# Altium PCB touch.gfx.PcbDoc (part 3 of 3) (continued)
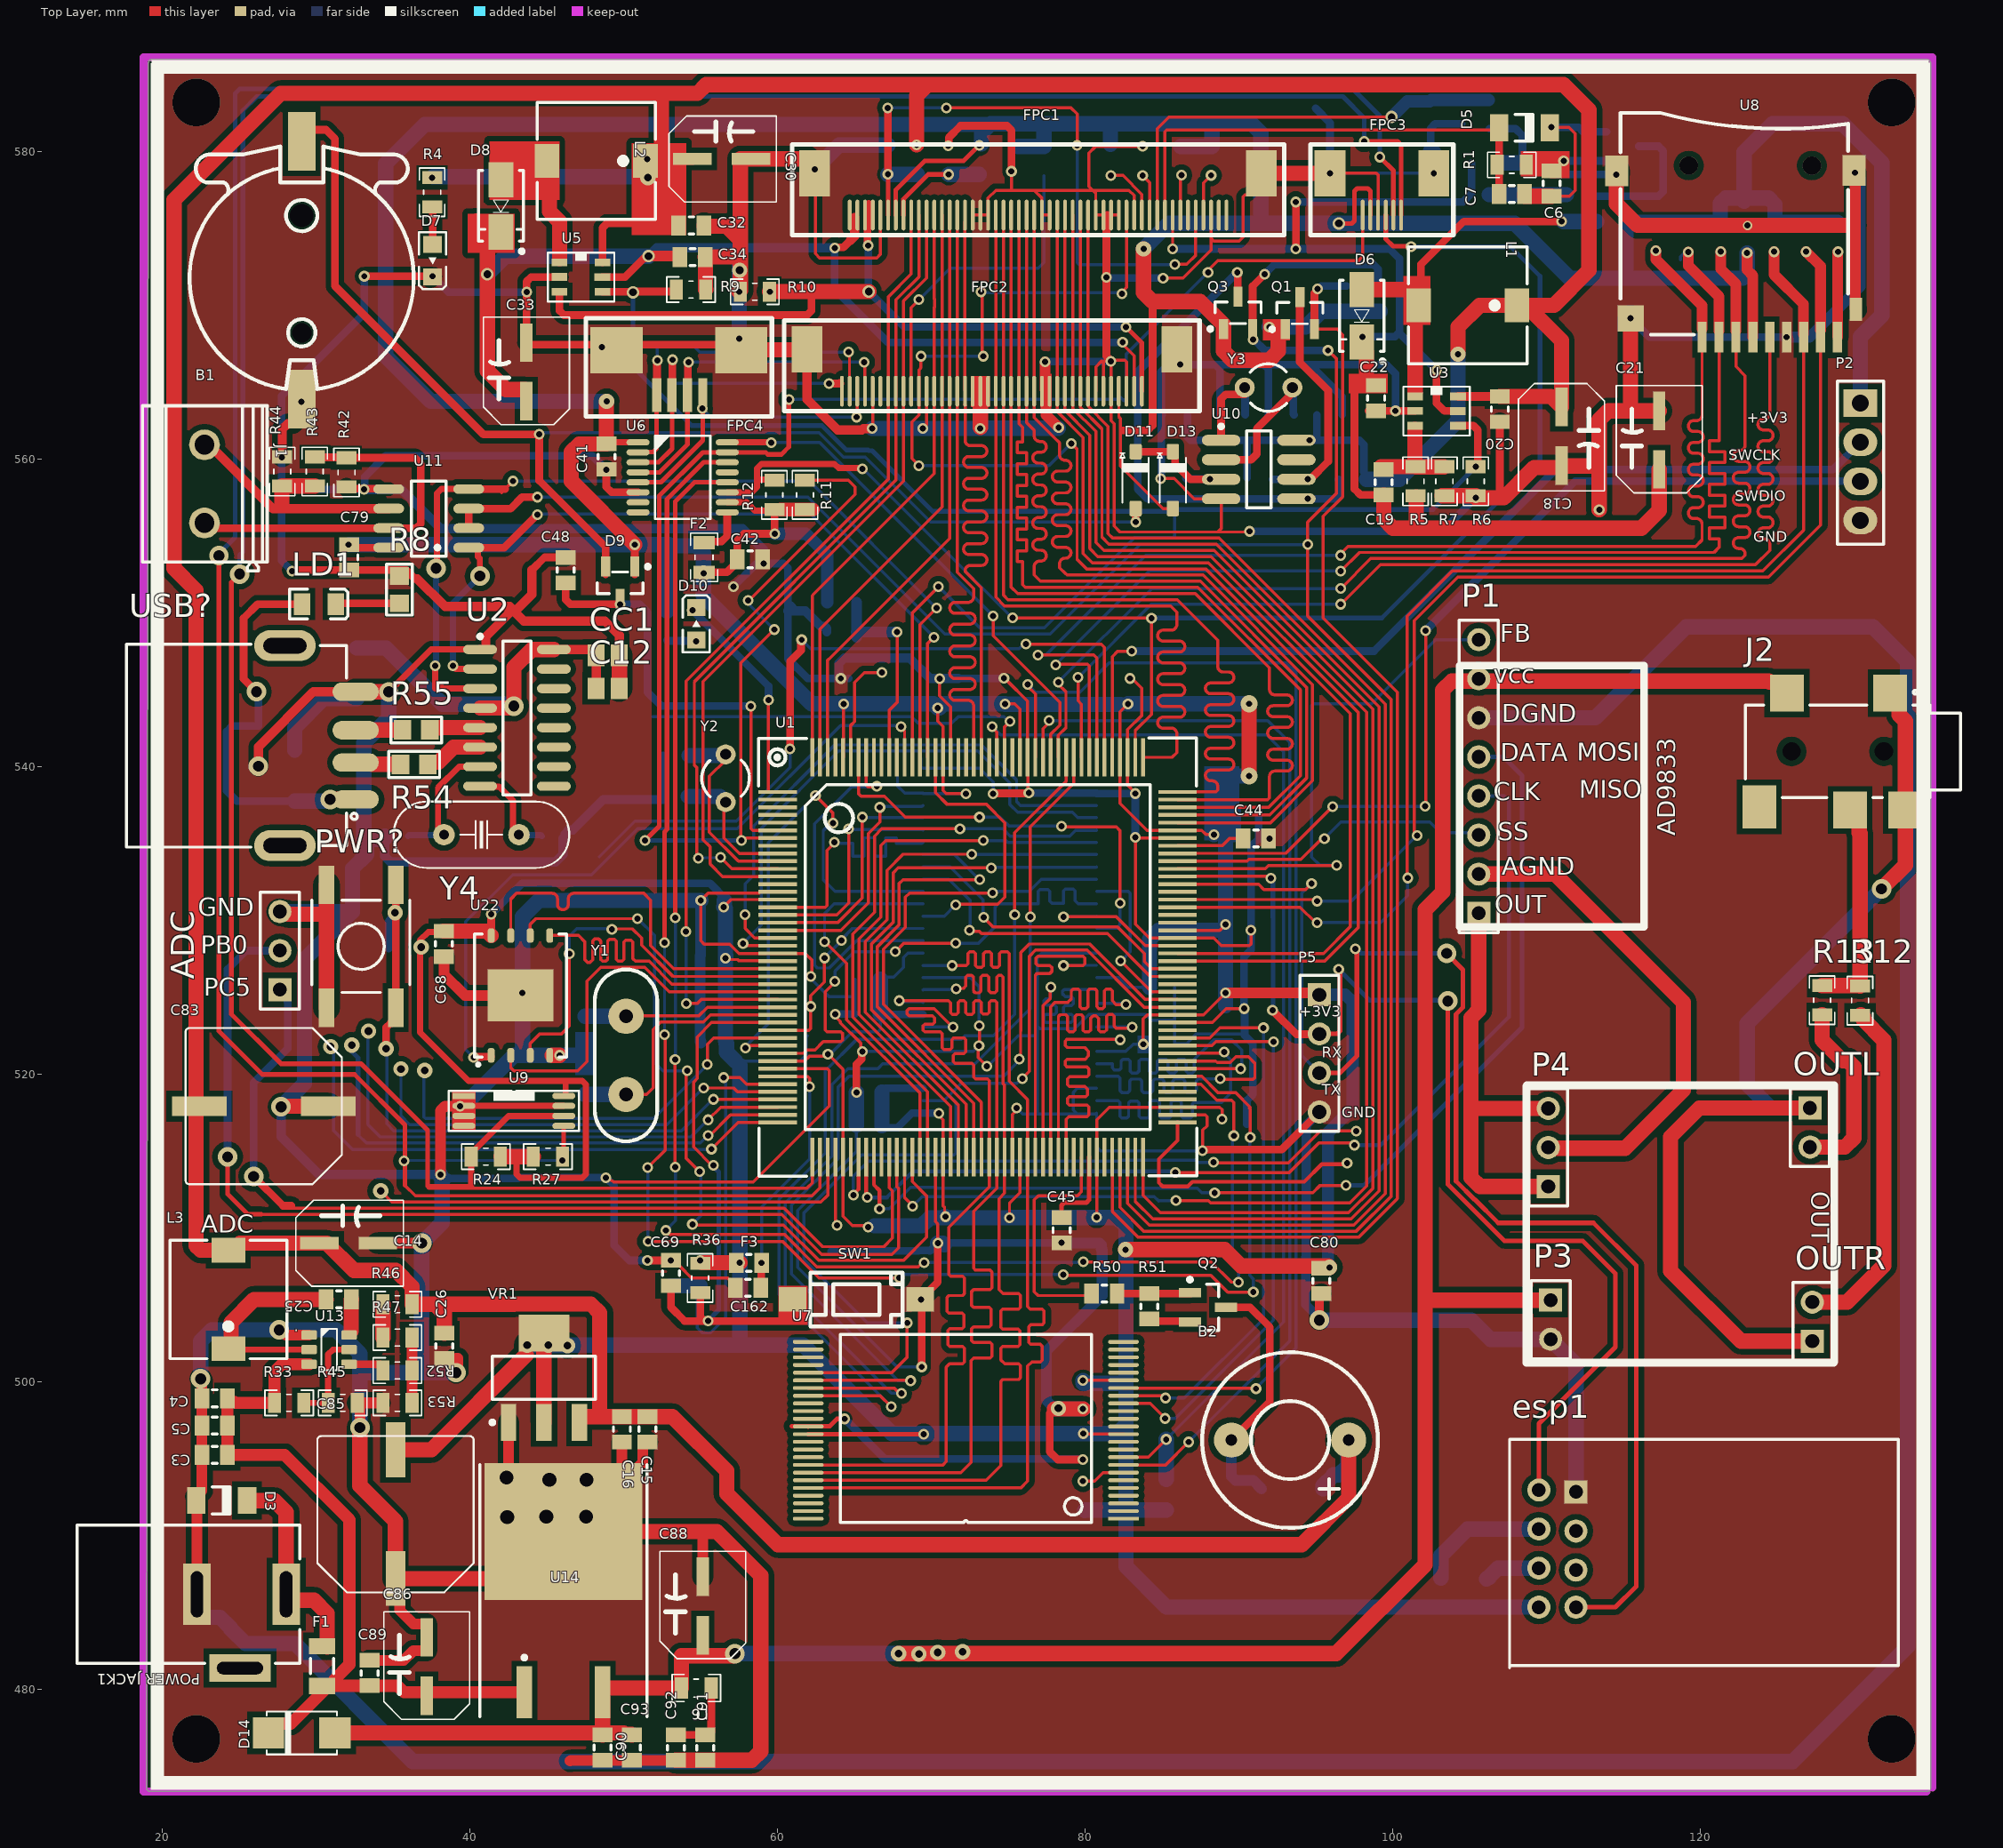
[diagram p0: Top Layer view]
## Nets (pads, with @x,y where several pads share a name; then routed paths per layer and width w, separated by ;. In a path a pad name is that pad's centre, name@x,y a point inside that pad or via, vN(x,y) a via of type N, cw(c..) or ccw(c..) an arc to the next point about the centre after c; other vN are vias at no path point) (continued)
  Bottom Layer w0.2: v1(46.477,527.807) 46.477,528.95 46.969,529.442 49.209,529.442 v1(49.248,529.403)
PF8: U1.26 U22.5 | length 24.5
  Top Layer w0.2: U22.5@45.212,528.998 47.079,528.998 47.498,528.579 47.498,527.431 47.669,527.26 47.835,527.26 48.006,527.431 48.006,528.649 48.123,528.766 48.397,528.766 48.514,528.649 48.514,527.444 48.631,527.326 48.858,527.326 48.975,527.444 48.975,528.636 49.092,528.753 49.422,528.753 49.54,528.636 49.54,527.444 49.657,527.326 49.913,527.326 50.03,527.444 50.03,528.584 50.147,528.701 50.492,528.701 50.61,528.584 50.61,527.494 50.778,527.326 51.667,527.326 53.158,525.835 U1.26@60.033,525.835
PF9: U1.27 U22.2 | length 25
  Top Layer w0.2: U22.2@42.672,521.462 U22.2@42.672,521.208 42.672,520.391 42.876,520.187 47.015,520.187 47.625,520.797 47.625,526.034 48.517,526.926 51.376,526.926 52.967,525.335 U1.27@60.033,525.335
PF10: FPC1.9 FPC2.34 U1.28 | length 63.4
  Top Layer w0.2: v1(54.064,529.264) 54.08,529.28 54.08,545.536 67.214,558.67 67.214,564.405 67.214,570.51 68.711,572.007 FPC1.9@68.711,575.85 ; v1(54.091,524.582) 54.814,524.582 55.067,524.835 U1.28@60.033,524.835
  Bottom Layer w0.2: v1(54.064,529.264) 54.078,529.25 54.078,524.596 v1(54.091,524.582)
PF11: RAM1.18 U1.59 | length 25
  Top Layer w0.2: v1(63.079,528.6) 63.095,528.6 64.516,527.179 64.516,523.524 69.279,518.761 U1.59@69.279,514.626
  Bottom Layer w0.2: v1(63.079,528.6) 63.079,530.434 63.703,531.058 RAM1.18@69.469,531.058
PF12: RAM1.31 U1.60 | length 38.4
  Top Layer w0.2: U1.60@69.779,514.626 69.779,518.827 64.916,523.69 64.916,529.096 66.332,530.512 66.332,535.465 66.802,535.935 v1(71.882,535.935)
  Bottom Layer w0.2: v1(71.882,535.935) 74.677,535.935 75.154,535.458 79.025,535.458 79.402,535.835 80.746,535.835 RAM1.31@80.769,535.858
PF13: RAM1.32 U1.63 | length 37.5
  Top Layer w0.2: U1.63@71.279,514.626 71.279,517.892 65.316,523.855 65.316,528.771 66.732,530.187 66.732,534.849 67.056,535.173 v1(73.406,535.173)
  Bottom Layer w0.2: v1(73.406,535.173) 74.873,535.173 74.988,535.058 RAM1.32@80.769,535.058
PF14: RAM1.33 U1.64 | length 35.8
  Top Layer w0.2: U1.64@71.779,514.626 71.779,517.958 65.716,524.021 65.716,528.606 67.132,530.022 67.132,533.229 68.187,534.284 v1(72.644,534.284)
  Bottom Layer w0.2: v1(72.644,534.284) 72.657,534.271 80.756,534.271 RAM1.33@80.769,534.258
PF15: RAM1.34 U1.65 | length 35
  Top Layer w0.2: U1.65@72.279,514.626 72.279,518.024 66.116,524.187 66.116,528.44 67.532,529.856 67.532,533.063 67.864,533.395 v1(73.914,533.395)
  Bottom Layer w0.2: v1(73.914,533.395) 73.946,533.427 80.737,533.427 RAM1.34@80.769,533.458
PG0: RAM1.22 U1.66 | length 30.6
  Top Layer w0.2: U1.66@72.779,514.626 72.779,518.089 66.516,524.352 66.516,528.274 67.932,529.69 67.932,532.379 68.186,532.633 73.161,532.633 v1(73.162,532.634)
  Bottom Layer w0.2: RAM1.22@69.469,534.258 71.538,534.258 v1(73.162,532.634)
PG1: RAM1.35 U1.67 | length 32.9
  Top Layer w0.2: U1.67@73.279,514.726 73.279,518.155 66.916,524.518 66.916,528.109 68.332,529.525 68.332,531.49 68.609,531.767 v1(74.002,531.767)
  Bottom Layer w0.2: v1(74.002,531.767) 74.098,531.863 76.378,531.863 77.174,532.658 RAM1.35@80.769,532.658
PG2: RAM1.36 U1.106 | length 11.4
  Top Layer w0.2: v1(82.338,527.341) 84.343,525.335 U1.106@86.033,525.335
  Bottom Layer w0.2: RAM1.36@80.769,531.858 82.841,531.858 82.958,531.741 82.958,527.937 82.362,527.341 v1(82.338,527.341)
PG3: U1.107
PG4: RAM1.20 U1.108 | length 20.3
  Top Layer w0.2: v1(72.495,529.349) 72.587,529.258 73.145,529.258 73.284,529.119 81.479,529.119 84.263,526.335 U1.108@86.004,526.335
  Bottom Layer w0.2: RAM1.20@69.469,532.658 71.164,532.658 72.532,531.29 72.532,529.385 v1(72.495,529.349)
PG5: RAM1.21 U1.109 | length 20.2
  Top Layer w0.2: v1(73.428,530.176) 74.033,529.57 82.126,529.57 83.865,527.831 83.865,527.299 84.328,526.835 U1.109@86.004,526.835
  Bottom Layer w0.2: RAM1.21@69.469,533.458 71.234,533.458 73.372,531.32 73.372,530.232 v1(73.428,530.176)
PG6: FPC1.28 FPC2.12 U1.110 | length 71.5
  Top Layer w0.2: FPC1.28@78.211,575.85 78.211,564.405 78.214,564.405 78.214,563.073 79.895,561.392 79.895,553.83 80.486,553.239 88.048,553.239 97.79,543.497 97.79,529.527 95.598,527.335 U1.110@86.033,527.335
PG7: FPC1.37 FPC2.30 U1.111 | length 96.3
  Top Layer w0.2: v1(69.215,559.557) 68.755,560.017 68.755,562.4 69.214,562.858 69.214,564.405 69.214,565.779 69.342,565.907 v1(69.342,566.669) ; v1(73.244,570.86) 73.325,570.779 73.325,566.75 v1(73.406,566.669) ; v1(79.12,561.003) 79.495,560.627 79.495,553.468 80.124,552.839 87.871,552.839 97.269,543.441 97.269,529.572 95.532,527.835 U1.111@86.033,527.835 ; v1(82.423,570.733) 82.423,570.868 82.711,571.156 FPC1.37@82.711,575.85
  Bottom Layer w0.2: v1(69.215,559.557) 77.674,559.557 v1(79.12,561.003) ; v1(69.342,566.669) v1(73.406,566.669) ; v1@73.244,570.852 73.299,570.797 82.359,570.797 v1(82.423,570.733)
PG8: RAM1.38 U1.112 | length 10.4
  Top Layer w0.2: v1(78.613,530.22) 82.042,530.22 83.927,528.335 U1.112@86.033,528.335
  Bottom Layer w0.2: v1(78.613,530.22) 78.632,530.239 80.75,530.239 RAM1.38@80.769,530.258
PG9: R38.1 U1.152 U7.9 | length 75.5
  Top Layer w0.2: v1(73.975,542.588) 73.975,542.528 74.283,542.221 U1.152@74.283,540.585 ; U7.9@82.513,495.069 84.132,495.069 v1(85.293,496.23)
  Bottom Layer w0.2: v1(73.975,542.588) 74.527,542.036 91.821,542.036 92.919,540.938 92.919,503.856 v1(85.293,496.23)
  Bottom Layer w1: R38.1@85.293,493.629 v1(85.293,496.23)
PG10: U1.153
PG11: FPC1.16 FPC2.24 U1.154 | length 48.8
  Top Layer w0.2: FPC2.24@72.211,563.555 72.211,563.51 72.214,563.507 72.214,562.478 72.214,561.209 ccw(c72.568,561.209) 72.568,560.855 73.281,560.855 cw(c73.281,560.501) 73.281,560.147 72.468,560.147 ccw(c72.468,559.793) 72.468,559.439 73.281,559.439 cw(c73.281,559.085) 73.281,558.731 72.468,558.731 ccw(c72.468,558.377) 72.468,558.023 73.281,558.023 cw(c73.281,557.669) 73.281,557.315 72.468,557.315 ccw(c72.468,556.961) 72.468,556.607 73.281,556.607 cw(c73.281,556.253) 73.281,555.899 72.468,555.899 ccw(c72.468,555.545) 72.468,555.191 73.281,555.191 cw(c73.281,554.837) 73.281,554.483 72.468,554.483 ccw(c72.468,554.129) 72.468,553.775 73.281,553.775 cw(c73.281,553.421) 73.281,553.067 72.568,553.067 ccw(c72.568,552.713) 72.214,552.713 72.214,552.679 73.279,551.614 73.279,544.825 U1.154@73.279,540.5 ; FPC2.24@72.211,564.469 FPC1.16@72.211,575.39
PG12: FPC1.15 FPC2.25 U1.155 | length 49
  Top Layer w0.2: FPC2.25@71.711,564.405 FPC1.15@71.711,575.85 ; FPC2.25@71.714,564.405 71.714,561.589 71.714,552.613 72.771,551.556 72.771,551.019 cw(c72.417,551.019) 72.417,550.665 71.574,550.665 ccw(c71.574,550.311) 71.574,549.957 72.525,549.957 cw(c72.525,549.603) 72.525,549.249 71.574,549.249 ccw(c71.574,548.895) 71.574,548.541 72.525,548.541 cw(c72.525,548.187) 72.525,547.833 71.574,547.833 ccw(c71.574,547.479) 71.574,547.125 72.525,547.125 cw(c72.525,546.771) 72.525,546.417 71.574,546.417 ccw(c71.574,546.063) 71.574,545.709 72.525,545.709 cw(c72.525,545.355) 72.525,545.001 71.574,545.001 ccw(c71.574,544.647) 71.574,544.293 72.417,544.293 cw(c72.417,543.939) 72.771,543.939 72.771,543.839 ; U1.155@72.783,540.585 72.783,543.827
PG13: U1.156
PG14: U1.157
PG15: RAM1.17 U1.160 | length 18.3
  Top Layer w0.2: U1.160@70.283,540.585 70.283,538.296 71.055,537.524 73.604,537.524 74.803,536.326 74.803,531.49 74.336,531.023 71.629,531.023 v1(71.599,530.993)
  Bottom Layer w0.2: RAM1.17@69.469,530.258 70.864,530.258 v1(71.599,530.993)
PH0: C64.2 U1.29 Y1.2 | length 13
  Top Layer w0.2: Y1.2@50.165,523.489 50.442,523.766 54.887,523.766 55.456,524.335 U1.29@60.033,524.335
  Bottom Layer w1: C64.2@47.498,523.742 Y1.2@50.165,523.743 ; Y1.2@50.228,523.553 Y1.2@50.292,523.489
PH1: C66.2 U1.30 Y1.1 | length 16.9
  Top Layer w0.2: Y1.1@50.165,518.663 51.507,518.663 51.943,519.099 51.943,522.875 52.434,523.366 55.192,523.366 55.661,523.835 U1.30@60.033,523.835
  Bottom Layer w1: C66.2@47.498,518.664 Y1.1@50.165,518.663
PH2: U1.43 | length 34.3
  Top Layer w0.2: v1(55.515,515.981) 55.597,515.981 56.951,517.335 U1.43@60.033,517.335
  Bottom Layer w0.2: 32.741,516.04 33.279,515.501 54.996,515.501 55.476,515.981 v1(55.515,515.981)
  Bottom Layer w0.3: v3@32.156,521.868 32.156,521.64 32.741,521.056 32.741,516.04
  other v3: 32.334,521.874
PH3: U1.44 | length 35.9
  Top Layer w0.2: v1(55.721,515.105) 57.451,516.835 U1.44@60.033,516.835
  Bottom Layer w0.2: v3@31.166,522.097 31.166,516.305 32.385,515.085 55.701,515.085 v1(55.721,515.105)
  other v3: 30.963,521.767
PH4: FPC3.6 R24.2 U1.45 U9.6 | length 199.8
  Top Layer w0.2: 37.226,512.676 37.326,512.576 61.939,512.576 62.283,512.92 U1.45@62.283,514.585 ; 37.226,512.751 37.262,512.751 40.005,512.751
  Top Layer w0.3: v2(25.044,552.501) 24.511,551.967 24.511,523.875 27.724,520.662 32.931,520.662 37.262,516.331 37.262,512.751 37.262,512.724 ; v1(98.171,580.639) 100.33,580.639 100.567,580.402 FPC3.6@100.567,575.85
  Top Layer w0.4: 40.098,512.751 R24.2@40.098,514.618 40.098,514.843 42.521,517.266 U9.6@46.124,517.266
  Bottom Layer w0.3: v2(25.044,552.501) 25.044,553.745 25.257,553.958 25.257,582.655 26.162,583.56 96.774,583.56 98.171,582.163 v1(98.171,580.639)
PH5: FPC3.5 R27.2 U1.46 U9.5 | length 203.8
  Top Layer w0.2: 35.789,512.75 36.469,512.07 62.257,512.07 62.783,512.595 U1.46@62.783,514.585
  Top Layer w0.3: v2(23.698,553.695) 23.698,522.783 26.518,519.963 32.512,519.963 35.789,516.687 35.789,512.75 ; v1(46.014,514.369) 46.105,514.459 R27.2@46.105,514.472 ; R27.2@46.04,514.618 46.105,514.682 46.105,516.57 46.124,516.589 U9.5@46.124,516.616 ; v1(99.187,579.623) 100.067,578.743 FPC3.5@100.067,575.85
  Bottom Layer w0.2: v1@35.738,514.369 v1(46.014,514.369)
  Bottom Layer w0.3: v2@23.714,553.848 24.757,554.891 24.757,583.757 25.06,584.06 97.417,584.06 99.187,582.29 v1(99.187,579.623)
  other v1: 35.738,514.35
PH6: U1.83
PH7: Q1.2 R40.2 U1.84 | length 89.2
  Top Layer w0.2: U1.84@81.783,514.585 81.783,511.048 83.459,509.372 97.816,509.372 100.33,511.886 100.33,544.825 95.504,549.651 95.504,556.255 96.774,557.525 96.774,568.066 96.416,568.424 Q1.2@94.931,568.424
  Top Layer w0.5: Q1.2@94.931,568.424 94.931,570.783 95.142,570.994 v1(95.142,571.048)
  Bottom Layer w0.5: v1(95.142,571.048) 95.196,571.048 95.388,571.24 R40.2@97.028,571.24
PH8: Q3.2 R48.2 U1.85 U11.2 U11.3 | length 161.6
  Top Layer w0.2: U1.85@82.283,514.585 82.283,511.31 83.821,509.772 97.65,509.772 99.93,512.052 99.93,544.336 94.488,549.778 94.488,554.401 v1(94.509,554.422) 94.488,554.442 94.488,555.874 96.374,557.76 96.374,566.486 v1(95.812,567.048)
  Top Layer w0.5: U11.2@39.938,555.493 U11.3@39.938,556.763 42.667,556.763 43.411,557.507 v1(44.407,557.507) ; v1(90.942,567.757) 90.927,567.772 90.927,568.433 Q3.2@90.912,568.448 90.912,571.221 v1(91.694,572.003)
  Bottom Layer w0.2: v1(44.407,557.507) 61.999,557.507 70.905,548.601 77.759,548.601 83.58,554.422 v1(94.509,554.422)
  Bottom Layer w0.5: v1(90.942,567.757) 90.996,567.757 91.706,567.048 v1(95.812,567.048) ; v1(91.694,572.003) 92.329,572.638 98.767,572.638 99.06,572.345 R48.2@99.06,571.24
PH9: FPC1.32 FPC2.8 U1.86 | length 96.9
  Top Layer w0.2: FPC1.32@80.211,575.85 80.211,564.402 80.214,564.405 80.224,564.395 80.224,563.401 81.515,562.11 81.515,555.131 81.807,554.839 88.734,554.839 99.53,544.043 99.53,512.218 97.484,510.172 84.183,510.172 82.783,511.572 U1.86@82.783,514.585
PH10: FPC1.31 FPC2.9 U1.87 | length 95.6
  Top Layer w0.2: FPC2.9@79.711,564.405 FPC1.31@79.711,575.85 ; FPC2.9@79.714,564.405 79.724,564.395 79.724,563.336 81.115,561.944 81.115,554.896 81.572,554.439 88.569,554.439 99.13,543.878 99.13,512.383 97.319,510.572 84.418,510.572 83.283,511.707 U1.87@83.283,514.585
PH11: FPC1.30 FPC2.10 U1.88 | length 94.1
  Top Layer w0.2: FPC1.30@79.211,575.85 79.211,564.405 79.214,564.405 79.224,564.395 79.224,563.27 80.715,561.778 80.715,554.572 81.248,554.039 88.403,554.039 98.73,543.712 98.73,512.549 97.153,510.972 84.907,510.972 83.783,512.096 U1.88@83.783,514.585
PH12: U1.89 | length 17.4
  Top Layer w0.25: U1.89@86.033,516.835 86.033,515.674 84.811,514.452 84.811,512.928 85.065,512.674 86.69,512.674 86.995,512.978 94.262,512.978 95.405,514.121 v1@97.053,514.121
  other v1: 97.053,514.198
PH13: FPC1.25 FPC2.15 U1.128 | length 67.5
  Top Layer w0.2: FPC1.25@76.711,575.85 76.712,575.848 FPC2.15@76.712,564.406 ; FPC2.15@76.714,564.405 76.714,562.683 78.036,561.361 78.349,561.048 78.35,560.26 ccw(c78.704,560.261) 78.704,559.907 78.741,559.907 cw(c78.741,559.553) 78.741,559.199 78.243,559.199 ccw(c78.243,558.845) 78.243,558.491 78.741,558.491 cw(c78.741,558.137) 78.741,557.783 78.243,557.783 ccw(c78.243,557.429) 78.243,557.075 78.741,557.075 cw(c78.741,556.721) 78.741,556.367 78.243,556.367 ccw(c78.243,556.013) 78.243,555.659 78.741,555.659 cw(c78.741,555.305) 78.741,554.951 78.243,554.951 ccw(c78.243,554.597) 78.243,554.243 78.741,554.243 cw(c78.741,553.889) 78.741,553.535 78.713,553.535 ccw(c78.713,553.181) 78.359,553.18 78.359,552.923 78.732,552.55 78.843,552.439 87.682,552.439 94.812,545.309 94.812,539.06 92.087,536.335 U1.128@86.033,536.335
PH14: FPC1.24 FPC2.16 U1.129 | length 66.3
  Top Layer w0.2: FPC1.24@76.211,575.85 76.211,564.405 76.214,564.405 76.214,562.732 76.214,562.351 76.708,561.857 76.708,561.589 76.708,561.489 ccw(c77.062,561.489) 77.062,561.135 77.143,561.135 cw(c77.143,560.781) 77.143,560.427 76.975,560.427 ccw(c76.975,560.073) 76.975,559.719 77.143,559.719 cw(c77.143,559.365) 77.143,559.011 76.975,559.011 ccw(c76.975,558.657) 76.975,558.303 77.143,558.303 cw(c77.143,557.949) 77.143,557.595 76.975,557.595 ccw(c76.975,557.241) 76.975,556.887 77.143,556.887 cw(c77.143,556.533) 77.143,556.179 76.975,556.179 ccw(c76.975,555.825) 76.975,555.471 77.143,555.471 cw(c77.143,555.117) 77.143,554.763 76.975,554.763 ccw(c76.975,554.409) 76.975,554.055 77.143,554.055 cw(c77.143,553.701) 77.143,553.347 77.062,553.347 ccw(c77.062,552.993) 76.708,552.993 76.708,552.843 76.708,552.445 77.024,552.129 77.114,552.039 87.516,552.039 94.412,545.143 94.412,539.226 92.021,536.835 U1.129@86.067,536.835
PH15: FPC1.23 FPC2.17 U1.130 | length 65.3
  Top Layer w0.2: FPC1.23@75.711,575.85 75.714,575.847 FPC2.17@75.714,565.293 ; FPC2.17@75.714,564.405 75.714,562.285 75.946,562.053 75.946,561.843 75.946,561.095 75.614,561.095 75.614,560.387 76.221,560.387 76.221,559.679 75.614,559.679 75.614,558.971 76.221,558.971 76.221,558.263 75.614,558.263 75.614,557.555 76.221,557.555 76.221,556.847 75.614,556.847 75.614,556.139 76.221,556.139 76.221,555.431 75.614,555.431 75.614,554.723 76.221,554.723 76.221,554.015 75.614,554.015 75.614,553.307 75.946,553.307 75.946,553.207 75.946,551.814 76.12,551.639 87.351,551.639 94.012,544.978 94.012,539.392 91.956,537.335 U1.130@86.033,537.335
PI0: FPC1.22 FPC2.18 U1.131 | length 67.8
  Top Layer w0.2: FPC1.22@75.211,575.85 75.211,564.402 75.214,564.405 75.214,551.653 75.628,551.239 87.185,551.239 92.007,546.417 92.007,546.279 92.007,545.004 ccw(c92.361,545.004) 92.361,544.65 93.136,544.65 cw(c93.136,544.296) 93.136,543.942 92.246,543.942 ccw(c92.246,543.588) 92.246,543.234 93.136,543.234 cw(c93.136,542.88) 93.136,542.526 92.246,542.526 ccw(c92.246,542.172) 92.246,541.818 93.136,541.818 cw(c93.136,541.464) 93.136,541.11 92.246,541.11 ccw(c92.246,540.756) 92.246,540.402 93.136,540.402 cw(c93.136,540.048) 93.136,539.694 92.361,539.694 ccw(c92.361,539.34) 92.007,539.34 92.007,538.532 92.007,537.953 91.89,537.835 U1.131@86.033,537.835
PI1: FPC1.21 FPC2.19 U1.132 | length 67.5
  Top Layer w0.2: FPC1.21@74.711,575.85 74.711,564.365 FPC2.19@74.714,564.368 ; FPC2.19@74.714,564.405 FPC2.19@74.714,564.368 ; U1.132@86.033,538.335 88.516,538.335 88.646,538.465 88.646,538.602 88.646,538.702 ccw(c88.292,538.702) 88.292,539.056 88.199,539.056 cw(c88.199,539.41) 88.199,539.764 89.342,539.764 ccw(c89.342,540.118) 89.342,540.472 88.199,540.472 cw(c88.199,540.826) 88.199,541.18 89.342,541.18 ccw(c89.342,541.534) 89.342,541.888 88.199,541.888 cw(c88.199,542.242) 88.199,542.596 89.342,542.596 ccw(c89.342,542.95) 89.342,543.304 88.199,543.304 cw(c88.199,543.658) 88.199,544.012 89.342,544.012 ccw(c89.342,544.366) 89.342,544.72 88.199,544.72 cw(c88.199,545.074) 88.199,545.428 89.342,545.428 ccw(c89.342,545.782) 89.342,546.136 89,546.136 cw(c89,546.49) 88.646,546.49 88.646,547.619 88.646,548.206 86.013,550.839 75.012,550.839 74.714,551.137 FPC2.19@74.714,564.368
PI2: FPC1.20 FPC2.20 U1.133 | length 62
  Top Layer w0.2: FPC1.20@74.211,575.85 74.211,564.408 74.214,564.405 74.214,551.002 74.777,550.439 85.572,550.439 85.979,550.032 85.979,549.778 85.979,549.211 cw(c85.625,549.211) 85.625,548.857 85.095,548.857 ccw(c85.095,548.503) 85.095,548.149 86.148,548.149 cw(c86.148,547.795) 86.148,547.441 85.095,547.441 ccw(c85.095,547.087) 85.095,546.733 86.148,546.733 cw(c86.148,546.379) 86.148,546.025 85.095,546.025 ccw(c85.095,545.671) 85.095,545.317 86.148,545.317 cw(c86.148,544.963) 86.148,544.609 85.095,544.609 ccw(c85.095,544.255) 85.095,543.901 86.148,543.901 cw(c86.148,543.547) 86.148,543.193 85.095,543.193 ccw(c85.095,542.839) 85.095,542.485 85.625,542.485 cw(c85.625,542.131) 85.979,542.131 85.979,542.031 85.979,540.888 85.676,540.585 U1.133@83.783,540.585
PI3: FPC3.4 R12.1@59.817,558.602 U1.134 U6.11 | length 98.5
  Top Layer w0.2: v1(75.311,549.651) 75.316,549.646 v1@84.328,549.646 ; U1.134@83.283,540.585 83.283,542.325 84.328,543.37 v1@84.328,549.646 ; v1@84.328,549.651 v1@84.328,549.646 ; v1(84.338,549.641) 84.333,549.646 v1@84.328,549.646
  Top Layer w0.3: FPC3.4@99.567,575.85 99.567,574.29 100.038,573.819 101.186,573.819 v1(101.219,573.786)
  Top Layer w0.4: U6.11@56.748,557.82 58.334,557.82 58.674,558.16 58.674,558.655 ; R12.1@60.198,558.655 58.674,558.655 ; v1(65.532,559.333) 65.532,559.4 63.991,559.4 63.725,559.666 58.967,559.666 58.674,559.373 58.674,558.655
  Bottom Layer w0.2: v1(65.532,559.333) 65.532,559.415 75.296,549.651 v1(75.311,549.651)
  Bottom Layer w0.3: v1(84.338,549.641) 84.347,549.651 99.314,549.651 109.601,559.938 109.601,571.876 107.691,573.786 v1(101.219,573.786)
PI4: U1.173
PI5: FPC1.14 FPC2.26 U1.174 | length 38.5
  Top Layer w0.2: U1.174@63.279,540.626 63.279,546.89 63.533,547.144 70.866,554.477 71.214,554.825 71.214,564.405 71.214,571.504 71.211,571.507 FPC1.14@71.211,575.85
PI6: FPC1.13 FPC2.27 U1.175 | length 38.5
  Top Layer w0.2: U1.175@62.779,540.626 62.779,548.848 62.779,548.93 70.714,556.865 70.714,557.185 FPC2.27@70.714,564.405 ; FPC1.13@70.711,575.85 70.711,571.419 70.714,571.416 FPC2.27@70.714,564.376
PI7: FPC1.12 FPC2.28 U1.176 | length 38.5
  Top Layer w0.2: U1.176@62.279,540.626 62.279,551.097 62.351,551.169 70.214,559.032 70.214,559.928 FPC2.28@70.214,564.405 ; FPC2.28@70.211,564.408 70.211,569.845 70.221,569.854 70.221,570.393 70.211,570.402 FPC1.12@70.211,575.85
PI8: FPC3.1 R11.1 U1.7 U6.15 | length 120.7
  Top Layer w0.2: v1(58.115,550.799) 58.171,550.799 65.049,557.677 65.049,558.173 64.619,558.602 R11.1@62.312,558.602 ; v1(59.802,548.894) 57.635,546.727 57.635,535.225 v1(57.682,535.179) 57.817,535.179 57.973,535.335 U1.7@60.033,535.335 ; v1(88.011,572.13) 88.011,572.257 88.646,572.892 97.79,572.892 98.067,573.169 FPC3.1@98.067,575.85
  Top Layer w0.3: v1(51.401,535.177) 52.328,536.105 52.328,557.59 55.158,560.42 U6.15@56.748,560.42 59.254,560.42 59.39,560.284 60.267,560.284 60.757,560.774 v1(60.757,563.855)
  Bottom Layer w0.2: v1(58.115,550.799) 58.115,550.581 v1(59.802,548.894) ; v1(60.757,563.855) 82.22,563.855 82.347,563.982 82.56,563.769 82.677,563.886 82.677,566.796 v1(88.011,572.13)
  Bottom Layer w0.3: v1(51.401,535.177) v1(51.401,535.177) v1(57.682,535.179)
PI9: FPC1.10 FPC2.33 U1.11 | length 53.5
  Top Layer w0.2: v1(54.864,534.03) 54.782,534.112 54.782,539.915 54.61,540.087 54.61,545.5 67.705,558.596 67.705,561.047 67.714,561.055 67.714,564.399 67.714,570.336 69.211,571.833 FPC1.10@69.211,575.85 ; v1(56.309,534.078) 56.321,534.078 57.064,533.335 U1.11@60.033,533.335
  Bottom Layer w0.2: v1(54.864,534.03) 54.888,534.054 56.285,534.054 v1(56.309,534.078)
PI10: FPC1.11 FPC2.32 U1.12 | length 53.1
  Top Layer w0.2: U1.12@60.033,532.835 56.44,532.835 55.626,533.649 55.626,534.773 55.182,535.218 55.182,545.506 68.214,558.538 68.214,564.405 68.214,570.27 69.711,571.767 FPC1.11@69.711,575.85
PI11: U1.13
R+: OUTR.2 R12.2@130.404,523.814 | length 22.6
  Top Layer w1: OUTR.2@127.305,505.155 129.565,505.155 131.953,507.543 131.953,522.199 130.604,523.547 130.604,523.764 130.529,523.764 R12.2@130.454,523.839
R/L: FPC1.39 R29.1 | length 3.9
  Top Layer w0.2: v1(81.695,578.426) 82.477,578.426 83.711,577.192 FPC1.39@83.711,575.85
SGN_OUT: J2.3 R12.1@130.404,525.714 R13.1@127.94,525.739 | length 14.4
  Top Layer w1: R13.1@127.94,525.739 R12.1@130.404,525.739 ; J2.3@129.304,536.721 130.102,536.721 130.353,536.469 130.353,535.672 130.404,535.621 R12.1@130.404,525.739 ; R12.1@130.404,525.714 R12.1@130.404,525.739
U/D: FPC1.40 R28.1 | length 2.8
  Top Layer w0.2: v1(83.761,578.426) 83.761,578.407 84.211,577.957 FPC1.40@84.211,575.85
VCAP_1: C45.2 U1.81 | length 5.5
  Top Layer w0.3: C45.2@78.486,510.661 78.486,511.455 78.662,511.631 80.107,511.631 80.283,511.807 U1.81@80.283,514.585
VCAP_2: C44.2 U1.125 | length 4.5
  Top Layer w0.2: U1.125@86.033,534.835 88.943,534.835 89.408,535.3 C44.2@90.298,535.3
VCOM: FPC1.6 FPC1.46 R22.1 R26.2 | length 41.7
  Top Layer w0.2: v1(70.993,582.825) 79.094,582.825 79.502,582.417 v1(79.502,580.385) ; v1(85.852,572.638) 85.858,572.644 86.62,572.644 87.211,573.235 FPC1.46@87.211,575.85
  Top Layer w0.3: v1(67.196,578.501) 67.203,578.494 67.203,575.857 FPC1.6@67.211,575.85
  Top Layer w0.5: v1(67.196,578.501) v1@67.196,582.825
  Bottom Layer w0.2: v1(67.183,582.825) v1(70.993,582.825) ; v1(79.502,580.385) 79.502,572.755 79.619,572.638 v1(85.852,572.638)
  Bottom Layer w1: v1(67.196,578.501) 67.198,578.499 69.105,578.499 R22.1@69.107,578.496
VDDBU: C84.2 D11.2 D13.2 U10.3 | length 8.3
  Top Layer w0.5: D11.2@83.302,560.463 D13.2@85.725,560.463 85.875,560.313 85.875,559.656 86.863,558.668 U10.3@88.863,558.668
  Bottom Layer w0.5: C84.2@86.581,558.716 86.606,558.692 88.114,558.692 v1(88.138,558.668)
"VGH +17V": C8.2 D4.2 FPC1.41 R2.1@106.299,583.367 | length 28
  Top Layer w0.2: FPC1.41@84.711,575.85 84.711,581.477 85.462,582.228 v5(99.949,582.228)
  Bottom Layer w0.8: v5(99.949,582.228) 100.972,583.251 102.434,583.251 102.52,583.337 104.521,583.337 R2.1@106.268,583.337
"VGL -5V": C7.2 D5.1 FPC1.42 R1.2 | length 31.6
  Top Layer w0.2: FPC1.42@85.211,575.85 85.211,581.271 85.328,581.388 106.794,581.388 D5.1@106.934,581.528
  Top Layer w0.5: C7.2@106.935,577.21 106.935,579.115 106.935,581.147 D5.1@106.934,581.528
VLED: C33.2 C34.2 D8.2 FPC1.1 FPC1.2 FPC2.2 U5.5 | length 72.3
  Top Layer w0.2: 40.229,575.667 40.425,575.471 ; v1(82.458,567.573) 82.458,567.457 83.204,566.71 83.204,564.414 FPC2.2@83.214,564.405
  Top Layer w0.5: U5.5@48.626,571.815 50.099,571.815 51.315,573.031 51.4,573.031 51.518,573.149 v5@51.518,573.234 ; v1(63.736,573.72) 63.774,573.759 64.308,573.759 64.77,574.22
  Top Layer w0.6: 64.77,574.22 65.024,574.474 65.024,575.691
  Top Layer w0.7: v5(51.631,573.181) C34.2@53.646,573.181
  Top Layer w1: 40.425,575.471 40.498,575.398 D8.2@41.402,575.398 ; 41.148,574.416 v5(41.148,572.008) 41.148,565.709 42.359,564.498 C33.2@43.588,564.498 ; D8.2@41.402,574.67 D8.2@41.656,574.416 ; D8.2@41.656,574.04 41.679,574.04 42.037,574.398 D8.2@42.037,574.748 42.116,574.669 D8.2@42.116,574.67
  Bottom Layer w0.5: v1(63.736,573.72) 63.736,571.032 67.194,567.573 v1(82.458,567.573)
  Bottom Layer w0.6: v5(51.631,573.181) 52.171,573.72 v1(63.736,573.72)
  Bottom Layer w1: v5(41.148,572.008) 42.321,573.181 v5(51.631,573.181)
X+: FPC2.39 FPC4.1 U6.2 | length 23.2
  Top Layer w0.2: v1(64.643,566.938) 64.698,566.883 64.698,564.42 FPC2.39@64.708,564.411
  Top Layer w0.3: U6.2@50.948,560.42 50.967,560.439 51.936,560.439 52.158,560.661 FPC4.1@52.158,564.531
  Top Layer w0.5: FPC4.1@52.158,564.531 52.183,564.556 52.183,566.374 v1(52.207,566.398)
  Bottom Layer w0.2: v1(52.207,566.398) 52.207,567.314 52.324,567.431 54.483,567.431 54.976,566.938 v1(64.643,566.938)
X-: FPC2.37 FPC4.3 U6.4 | length 22.7
  Top Layer w0.2: v1(65.659,566.288) 65.704,566.243 65.704,564.414 FPC2.37@65.714,564.405
  Top Layer w0.3: U6.4@50.948,559.12 52.34,559.12 54.158,560.938 FPC4.3@54.158,564.531
  Top Layer w0.5: FPC4.3@54.158,564.531 54.194,564.567 54.194,566.253 v1(54.229,566.288)
  Bottom Layer w0.2: v1(54.229,566.288) v1(65.659,566.288)
Y+: FPC2.40 FPC4.2 U6.3 | length 20.9
  Top Layer w0.3: U6.3@50.948,559.77 52.283,559.77 53.158,560.645 FPC4.2@53.158,564.15 FPC4.2@53.158,564.531
  Top Layer w0.5: FPC4.2@53.158,564.531 53.173,564.546 53.173,566.426 v1(53.188,566.441) ; v1(63.373,564.896) 63.995,564.896 64.046,564.947 FPC2.40@64.101,564.891
  Bottom Layer w0.2: v1(53.188,566.441) 53.188,565.008 53.305,564.891 53.361,564.947 53.411,564.896 v1(63.373,564.896)
Y-: FPC2.38 FPC4.4 U6.5 | length 20.4
  Top Layer w0.2: v1(65.158,562.713) 65.17,562.713 65.208,562.675 FPC2.38@65.208,564.399 FPC2.38@65.214,564.405
  Top Layer w0.3: U6.5@50.948,558.47 52.435,558.47 55.158,561.193 55.158,563.2 55.092,563.266 FPC4.4@55.054,563.266 ; v1(55.125,563.266) 55.125,564.117 FPC4.4@55.158,564.15
  Bottom Layer w0.2: v1(55.125,563.266) 55.678,562.713 v1(65.158,562.713)
pads on no net: "POWER JACK1.3" B1.0 D11.0 D13.0 DC1.0 DC2.0 esp1.2 esp1.3 FPC1.45 FPC1.49 FPC1.50 FPC2.35 FPC3. J2. J2.10 RAM1.40 U2.9 U2.10 U2.11 U2.12 U2.13 U2.14 U2.15 U6.0 U6.7 U6.8 U6.13 U7. U7.13 U10.7 U13.0 USB?.SH1 USB?.SH2
copper on no net:
  other v9: 119.27,579.07 127.271,579.07

## Polygon pours and split planes (outlines as drawn)
GND on Top Layer (solid, remove dead copper, pour order 2): 18.851,586.105 135.128,586.105 135.128,473.939 134.874,473.685 19.38,473.685
GND on Bottom Layer (solid, remove dead copper, pour order 4): 18.796,586.105 135.128,586.105 135.128,473.583 19.533,473.583 19.253,473.862

## Keep-outs
Keep-Out Layer:
  lines w0.5: 18.796,586.105 18.796,473.329 134.747,473.329 ; 18.851,586.105 134.62,586.105 ; 19.359,586.105 135.128,586.105 135.128,473.583

## Other copper
Top Layer:
  rectangle net NetC1_1: 100.711,568.706 102.489,571.881
  rectangle net "AVDD +10.4V": 97.155,564.261 99.695,565.531
  rectangle net +5V: 50.546,574.548 54.102,580.517
  rectangle net NetD8_1: 41.275,576.834 45.847,580.644
  rectangle net GND: 77.089,563.367 77.851,565.526
  rectangle net GND: 72.599,563.367 73.822,565.399
  rectangle net NetC6_2: 108.331,578.353 111.125,580.004
  rectangle net NetC6_2: 110.236,578.259 111.52,580.004
  rectangle net +3V3: 91.567,567.685 93.345,569.082
  rectangle net GND: 38.862,516.25 40.386,518.917
  rectangle net NRST: 60.071,503.677 61.976,506.217
  rectangle net VLED: 39.878,573.4 42.926,575.94
Bottom Layer:
  rectangle net +3V3: 83.439,521.335 84.201,522.478
  rectangle net +3V3: 87.757,535.178 90.043,540.004
  rectangle net GND: 46.863,519.933 48.133,522.727
  region: 82.55,545.332
  region: 82.55,545.332
  region: 82.55,545.332
  region: 82.55,545.332
  region: 82.55,545.332
  region: 82.55,545.332
  region: 82.55,545.332
  region: 82.55,545.332

## Silkscreen, mask and mechanical layers (free items; w line width, h text height)
Top Overlay:
  rectangle: 19.304,473.456 134.874,474.345
  region: 134.063,585.751 134.063,473.456 134.952,473.456 134.952,585.751
  region: 134.89,585.923 19.32,585.923 19.32,585.034 134.89,585.034
  region: 20.138,473.44 20.138,585.724 19.249,585.724 19.249,473.44
  lines w0.5: 108.702,519.218 108.702,501.218 128.702,501.218 ; 108.737,519.252 128.737,519.252 128.737,501.252 ; 116.369,529.557 104.369,529.557 104.369,546.557 116.369,546.557 116.369,529.645
  text "+3V3" at 123.039,562.097 h1.2
  text "SWCLK" at 121.862,559.684 h1.2
  text "SWDIO" at 122.272,557.017 h1.2
  text "GND" at 123.463,554.35 h1.2
  text "FB" at 107.01,547.675 h2
  text "vcc" at 106.553,545.033 h2
  text "DGND" at 107.112,542.493 h2
  text "MOSI" at 111.989,539.953 h2
  text "DATA" at 107.036,539.928 h2
  text "MISO" at 112.141,537.54 h2
  text "CLK" at 106.553,537.388 h2
  text "AD9833" at 118.796,535.483 h2 r90
  text "SS" at 106.858,534.797 h2
  text "AGND" at 107.112,532.536 h2
  text "OUT" at 106.655,530.047 h2
  text "GND" at 22.352,529.869 h2
  text "PB0" at 22.504,527.431 h2
  text "PC5" at 22.708,524.688 h2
  text "+3V3" at 93.956,523.489 h1.2
  text "RX" at 95.409,520.822 h1.2
  text "TX" at 95.409,518.409 h1.2
  text "GND" at 96.698,516.941 h1.2
  text "OUT" at 126.848,512.369 h2 r270
  text "ADC" at 22.555,509.27 h2